# Altium PCB IMPORT PCB1.PcbDoc
Units mil, origin at the board's own origin, x right, y up, seen from the top; angles counter-clockwise.
Board outline 1343.18 x 1223.18 mil, 2 copper layers (Top Layer, Bottom Layer); 205 components, 290 nets, 975 pads, 0 vias.
Unrouted connection lines stored in the file: 631.
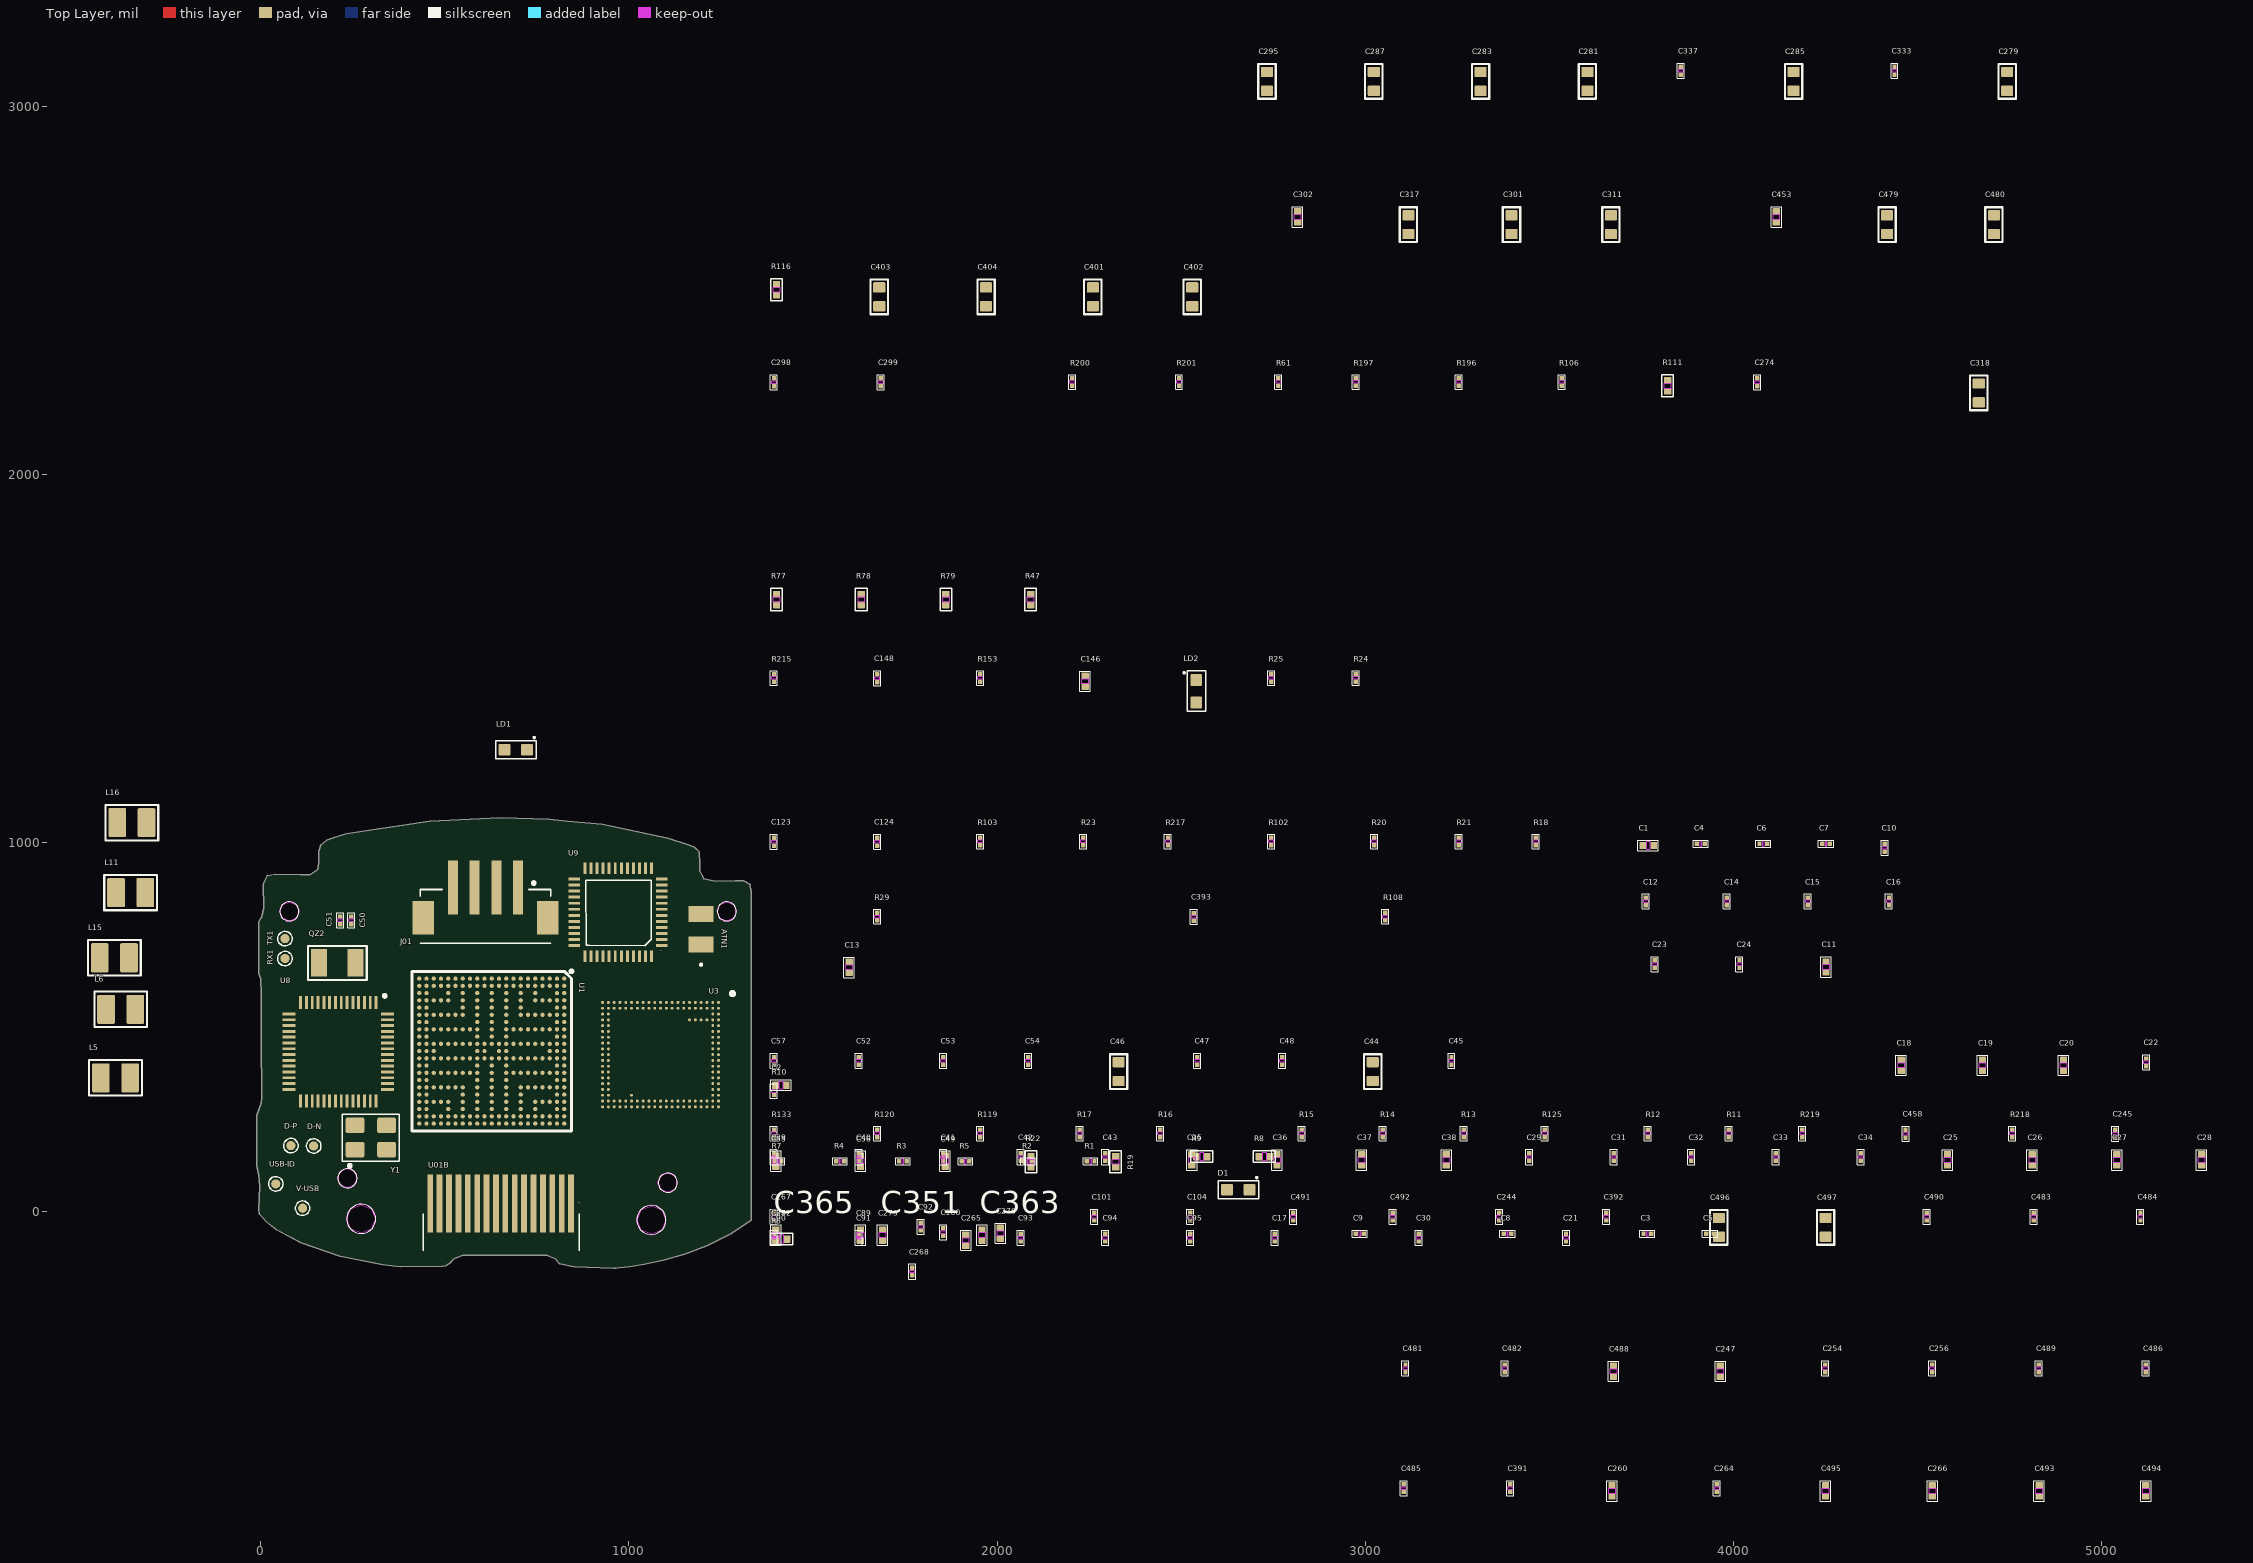
[diagram p0: Top Layer view]
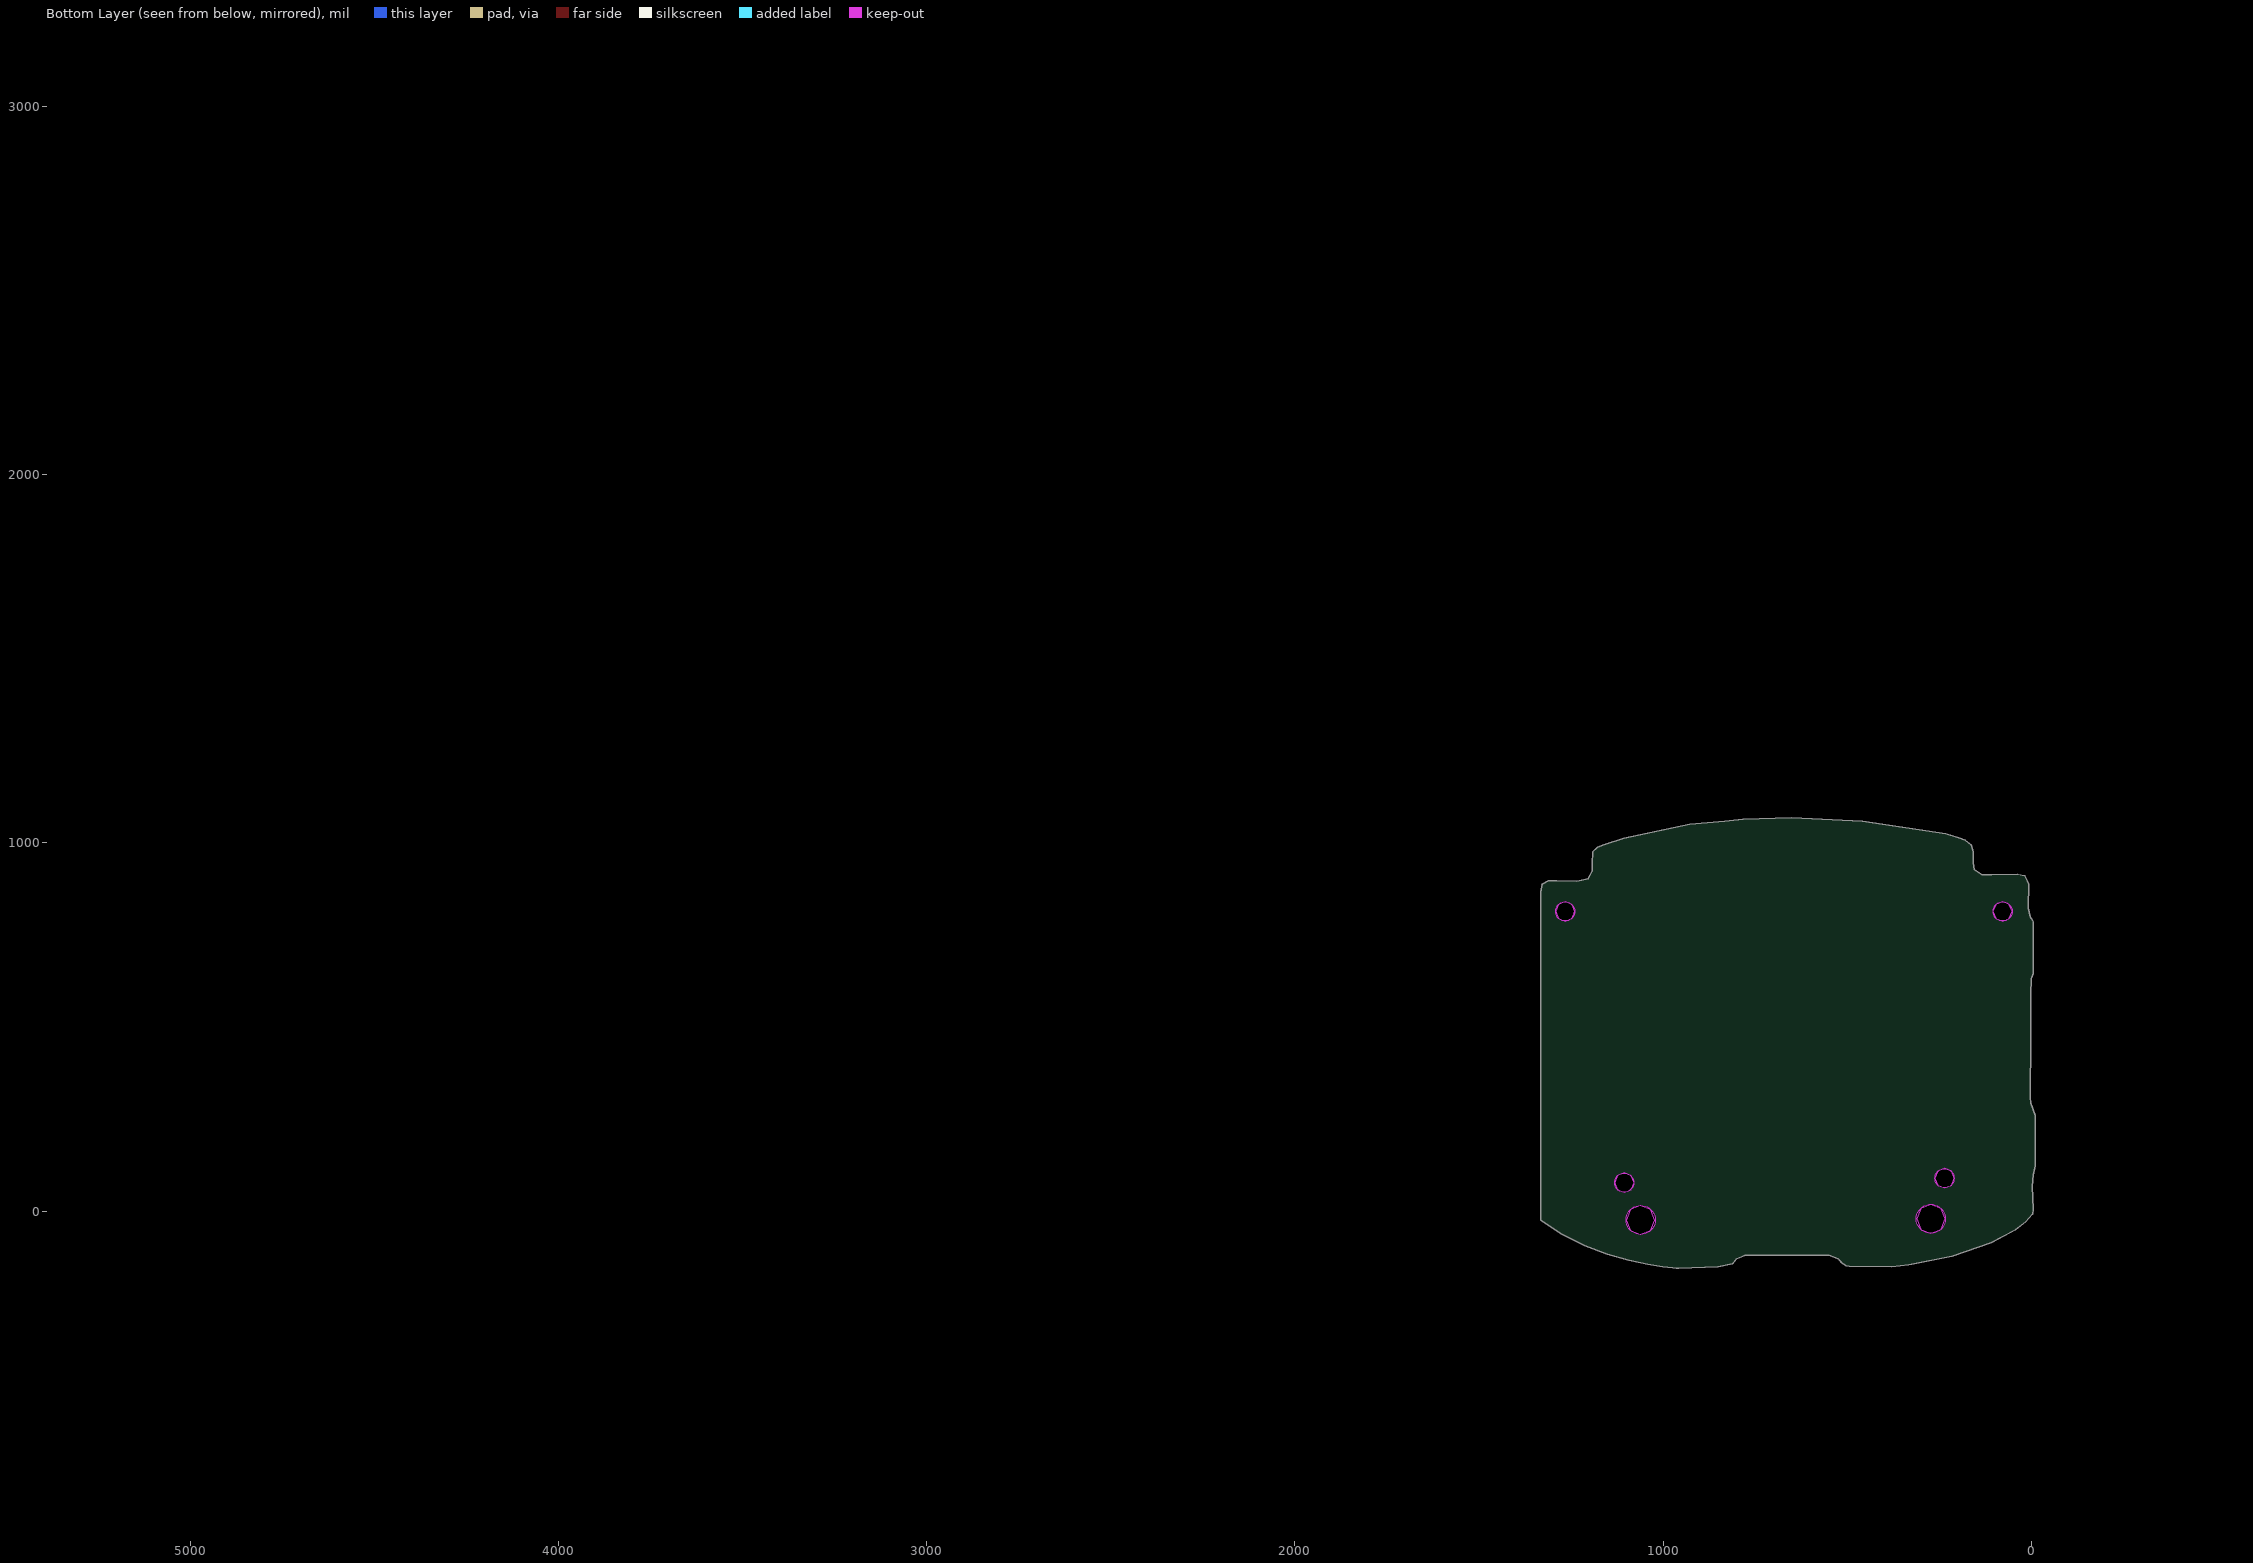
[diagram p1: Bottom Layer view, seen from below]

## Layer stack, top to bottom
Top Solder: solder mask 0.4, Solder Resist, Dk 3.5
Top Layer: signal copper 1.4
Dielectric 1: dielectric 12.6, FR-4, Dk 4.8
Bottom Layer: signal copper 1.4
Bottom Solder: solder mask 0.4, Solder Resist, Dk 3.5

## Board outline
-3.21,-8.03 16.18,-29.65 42.26,-50.01 109.91,-86.14 215.81,-122.39 325.68,-144.3 332.93,-145.42 378.87,-150.89 494.59,-149.46 503.17,-147.95 516.35,-139 524.89,-128.96 548.71,-119.34 648.71,-119.34 777.59,-119.34 801.03,-129.94 811.63,-142.91 850.96,-151.42 958.08,-155.18 964.08,-155.04 973.7,-154.2 1000.62,-151 1041.35,-144.44 1092.54,-133.42 1150.7,-116.82 1212.49,-93.81 1274.42,-63.13 1330.49,-25.88 1332.02,-24.35 1332.44,-21.84 1332.44,61.01 1332.44,746.97 1332.72,866.78 1328.81,887.42 1329.09,887.28 1311.08,897.05 1289.2,896.77 1234.24,895.23 1202.86,903.18 1193.03,922.59 1192.82,945.03 1191.42,975.16 1178.49,988.06 1160.32,994.68 1106.48,1012.26 927.67,1051.17 832.82,1059.26 783.13,1063.62 650.26,1068 458.53,1059.32 232.23,1024.53 198.2,1014.07 179.07,1006.7 163.19,994.4 157.89,975.71 157.33,968.32 157.33,946.42 154.96,926.9 134.25,913.54 108.09,913.37 37.24,914.2 17.29,910.44 7.39,887.98 7.95,823.4 2.79,798.72 -3.07,789.93 -5.3,785.88 -5.58,782.68 -5.58,645.43 0.56,631.06 1.95,588.94 1.95,468.71 2.37,309.56 1.53,293.25 -10.46,260.05 -10.46,123.5 -4.75,98.39 -2.79,67.57 -4.61,5.36
cut-out: 1086.82,58.72 1079.08,77.47 1086.82,96.16 1105.44,103.97 1124.06,96.21 1131.8,77.47 1124.06,58.72 1105.44,50.96
cut-out: 1079.85,77.28 ccw(c1105.85,77.28) 1105.85,51.28 ccw(c1105.85,77.28) 1131.85,77.28 ccw(c1105.85,77.28) 1105.85,103.28 ccw(c1105.85,77.28)
cut-out: 209.86,89.28 ccw(c235.86,89.28) 235.86,63.28 ccw(c235.86,89.28) 261.86,89.28 ccw(c235.86,89.28) 235.86,115.28 ccw(c235.86,89.28)
cut-out: 1240.06,813.96 ccw(c1266.06,813.96) 1266.06,787.96 ccw(c1266.06,813.96) 1292.06,813.96 ccw(c1266.06,813.96) 1266.06,839.96 ccw(c1266.06,813.96)
cut-out: 52,814 ccw(c78,814) 78,788 ccw(c78,814) 104,814 ccw(c78,814) 78,840 ccw(c78,814)
cut-out: 233.44,-21 ccw(c273,-21) 273,-60.56 ccw(c273,-21) 312.56,-21 ccw(c273,-21) 273,18.56 ccw(c273,-21)
cut-out: 1021.44,-24 ccw(c1061,-24) 1061,-63.56 ccw(c1061,-24) 1100.56,-24 ccw(c1061,-24) 1061,15.56 ccw(c1061,-24)
cut-out: 1033.99,-51.79 1022.52,-24.21 1033.99,3.37 1061.57,14.84 1089.15,3.37 1100.62,-24.21 1089.15,-51.79 1061.57,-63.26
cut-out: 1033.99,-51.79 1022.52,-24.21 1033.99,3.37 1061.57,14.84 1089.15,3.37 1100.62,-24.21 1089.15,-51.79 1061.57,-63.26
cut-out: 216.82,70.72 209.08,89.47 216.82,108.16 235.44,115.97 254.06,108.21 261.8,89.47 254.06,70.72 235.44,62.96
cut-out: 245.1,-48.86 233.62,-21.28 245.1,6.3 272.68,17.77 300.26,6.3 311.73,-21.28 300.26,-48.86 272.68,-60.34
cut-out: 59.34,795.03 51.6,813.78 59.34,832.52 77.97,840.28 96.59,832.52 104.33,813.78 96.59,795.03 77.97,787.28
cut-out: 1247.15,795.03 1239.41,813.78 1247.15,832.52 1265.77,840.28 1284.39,832.52 1292.13,813.78 1284.39,795.03 1265.77,787.28

## Design rules (kind name [scope] priority, off if disabled: settings)
Clearance [All] p1: gap=4 ignorepadtopadclearanceinfootprint=FALSE
DiffPairsRouting [All] p1: maxlimit=10 minlimit=10 mostfreqgap=10 toplayer_minwidth=15 toplayer_maxwidth=15 toplayer_prefwidth=15 bottomlayer_minwidth=15 bottomlayer_maxwidth=15 bottomlayer_prefwidth=15 maxuncoupledlength=500
PolygonConnect [All] p1: connectstyle=Relief reliefconductorwidth=10 reliefentries=4 polygonreliefangle="90 Angle" airgapwidth=10
RoutingVias [All] p1: holewidth=28 width=50 viastyle="Through Hole" minholewidth=28 minwidth=50 maxholewidth=28 maxwidth=50
SolderMaskExpansion [All] p1: expansion=4 istentingtop=FALSE
Width [All] p1: maxlimit=10 minlimit=10 preferedwidth=10
29 further rules are at their usual default settings.

## Classes and differential pairs
component class "Page13 SOM Interface": BH1 BH2 BH3 C2 C401 C402 C403 C404 J4 J5 J7 R116 TP51
component class "Page12 PMIC PCA9450B": C13 C272 C273 C274 C276 C279 C281 C283 C285 C287 C295 C298 C299 C301 C302 C311 C317 C318 C333 C337 C351 C363 C365 C453 C479 C480 J01 J6 L5 L6 L11 L13 L15 L16 QZ2 R48 R51 R52 R54 R55 R61 R106 R111 R114 R127 R137 R191 R192 R193 R194 R195 R196 R197 R198 R199 R200 R201 R202 R203 R224 TP22 TP23 TP25 TP26 TP27 TP28 TP29 TP31 TP32 TP33 TP44 TP45 TP46 TP47 TP53 TP68 U8
component class "Page11 BOOT_CFG": R47 R77 R78 R79
component class "Page10 WIFI&Bluetooth": ATN1 C44 C45 C46 C47 C48 C49 C50 C51 C52 C53 C54 C55 C56 C57 C146 C148 C454 C455 C456 C457 LD1 LD2 R8 R9 R19 R22 R24 R25 R115 R129 R130 R131 R132 R153 R205 R206 R207 R208 R209 R210 R211 R212 R213 R214 R215 TP12 TP13 TP24 TP66 TP67 U7 U9
component class "Page08 CPU MISC": C123 C124 R18 R20 R21 R23 R26 R27 R100 R102 R103 R113 R217 TP2 TP3 TP4 TP5 TP6 TP7 TP8 TP9 TP10 tp20 TP21 TP38 TP39 Y1
component class "Page07 CPU PHY": C393 D-N D-P R29 R108 U01B USB-ID V-USB
component class "Page06 CPU IO": C245 C458 D1 Q1 R10 R11 R12 R13 R14 R15 R16 R17 R119 R120 R125 R133 R218 R219 R220 RX1 TX1 U12
component class "Page05 DDR4L+eMMC": C1 C4 C6 C7 C10 C11 C12 C14 C15 C16 C18 C19 C20 C22 C23 C24 C25 C26 C27 C28 C29 C31 C32 C33 C34 C35 C36 C37 C38 C39 C40 C41 C42 C43 C460 C461 C462 C463 C465 C466 C467 C468 C469 C470 C471 C474 C475 C476 C477 C478 CLKm CMDm DAT0m DSm R1 R2 R3 R4 R5 R6 R7 R222 R223 RSTm TP58 U1 U3 U15
differential pair class CSI_D3: CSI_D3
differential pair class CSI_D2: CSI_D2
differential pair class CSI_D1: CSI_D1
differential pair class CSI_D0: CSI_D0
differential pair class CSI_CK_PAIR_CLASS: CSI_CK
component class "Page04 CPU PWR": C3 C5 C8 C9 C17 C21 C30 C88 C89 C90 C91 C92 C93 C94 C95 C100 C101 C104 C244 C247 C254 C256 C260 C264 C265 C266 C267 C268 C391 C392 C481 C482 C483 C484 C485 C486 C488 C489 C490 C491 C492 C493 C494 C495 C496 C497
differential pair CSI_D3: +CSI_D3_P -CSI_D3_N
differential pair CSI_D2: +CSI_D2_P -CSI_D2_N
differential pair CSI_D1: +CSI_D1_P -CSI_D1_N
differential pair CSI_D0: +CSI_D0_P -CSI_D0_N
differential pair CSI_CK: +CSI_CK_P -CSI_CK_N

## Components (designator, comment, footprint, x,y, rotation, side; value= is the part's Value field where it differs from the comment)
ATN1 "M310220" M310220 1196,766 r90 top
C1 "4.7uF" "0402_CC - C" 3768,993 r0 top
C2 "2.2uF" "0402_CC - C" 1413,342 r0 top
C3 "0.22UF" "0201_CC - C" 3766,-61 r0 top
C4 "0.22uF" "0201_CC - C" 3911,998 r0 top
C5 "0.22UF" "0201_CC - C" 3936,-61 r0 top
C6 "0.22uF" "0201_CC - C" 4081,998 r0 top
C7 "0.22uF" "0201_CC - C" 4251,998 r0 top
C8 "0.22UF" "0201_CC - C" 3386,-61 r0 top
C9 "0.22UF" "0201_CC - C" 2985,-61 r0 top
C10 "0.22uF" "0201_CC - C" 4410,987 r90 top
C11 "4.7uF" "0402_CC - C" 4251,663 r90 top
C12 "0.22uF" "0201_CC - C" 3762,841 r90 top
C13 "4.7UF" "0402_CC - C" 1598,662 r90 top
C14 "0.22uF" "0201_CC - C" 3982,841 r90 top
C15 "0.22uF" "0201_CC - C" 4202,841 r90 top
C16 "0.22uF" "0201_CC - C" 4422,841 r90 top
C17 "0.22UF" "0201_CC - C" 2754,-72 r90 top
C18 "10uF" "0402_CC - C" 4455,396 r90 top
C19 "10uF" "0402_CC - C" 4676,396 r90 top
C20 "10uF" "0402_CC - C" 4896,396 r90 top
C21 "0.22UF" "0201_CC - C" 3545,-72 r90 top
C22 "0.22uF" "0201_CC - C" 5121,404 r90 top
C23 "0.22uF" "0201_CC - C" 3786,671 r90 top
C24 "0.22uF" "0201_CC - C" 4016,671 r90 top
C25 "10uF" "0402_CC - C" 4581,139 r90 top
C26 "10uF" "0402_CC - C" 4811,139 r90 top
C27 "10uF" "0402_CC - C" 5041,139 r90 top
C28 "10uF" "0402_CC - C" 5271,139 r90 top
C29 "0.22uF" "0201_CC - C" 3445,147 r90 top
C30 "0.22UF" "0201_CC - C" 3145,-72 r90 top
C31 "0.22uF" "0201_CC - C" 3675,147 r90 top
C32 "0.22uF" "0201_CC - C" 3885,147 r90 top
C33 "0.22uF" "0201_CC - C" 4115,147 r90 top
C34 "0.22uF" "0201_CC - C" 4345,147 r90 top
C35 "10uF" "0402_CC - C" 2529,139 r90 top
C36 "10uF" "0402_CC - C" 2760,139 r90 top
C37 "10uF" "0402_CC - C" 2990,139 r90 top
C38 "10uF" "0402_CC - C" 3220,139 r90 top
C39 "0.22uF" "0201_CC - C" 1394,147 r90 top
C40 "0.22uF" "0201_CC - C" 1624,147 r90 top
C41 "0.22uF" "0201_CC - C" 1854,147 r90 top
C42 "0.22uF" "0201_CC - C" 2064,147 r90 top
C43 "0.22uF" "0201_CC - C" 2294,147 r90 top
C44 "22uF" 0603_CC 3020,379 r90 top
C45 "0.1uF" "0201_CC - C" 3234,408 r90 top
C46 "22uF" 0603_CC 2330,379 r90 top
C47 "0.1uF" "0201_CC - C" 2544,408 r90 top
C48 "0.1uF" "0201_CC - C" 2774,408 r90 top
C49 "10PF" "0402_CC - C" 1859,136 r90 top
C50 "1uF" "0201_CC - C" 246,789.64 r90 top
C51 "0.1uF" "0201_CC - C" 216,789.64 r90 top
C52 "0.1uF" "0201_CC - C" 1624,408 r90 top
C53 "0.1uF" "0201_CC - C" 1854,408 r90 top
C54 "0.1uF" "0201_CC - C" 2084,408 r90 top
C55 "10PF" "0402_CC - C" 1399,136 r90 top
C56 "10PF" "0402_CC - C" 1629,136 r90 top
C57 "1UF" "0201_CC - C" 1394,408 r90 top
C88 "10UF" "0402_CC - C" 1399,-65 r90 top
C89 "10UF" "0402_CC - C" 1629,-65 r90 top
C90 "1UF" "0201_CC - C" 1394,-72 r90 top
C91 "1UF" "0201_CC - C" 1624,-72 r90 top
C92 "1UF" "0201_CC - C" 1793,-42 r90 top
C93 "1UF" "0201_CC - C" 2064,-72 r90 top
C94 "1UF" "0201_CC - C" 2294,-72 r90 top
C95 "1UF" "0201_CC - C" 2524,-72 r90 top
C100 "0.22UF" "0201_CC - C" 1854,-57 r90 top
C101 "0.22UF" "0201_CC - C" 2264,-15 r90 top
C104 "0.22UF" "0201_CC - C" 2524,-15 r90 top
C123 "12PF" "0201_CC - C" 1394,1003 r90 top
C124 "12PF" "0201_CC - C" 1674,1003 r90 top
C146 "4.7UF" "0402_CC - C" 2239,1439 r90 top
C148 "0.22UF" "0201_CC - C" 1674,1447 r90 top
C244 "0.22UF" "0201_CC - C" 3364,-15 r90 top
C245 "18PF" "0201_CC - C" 5037,210 r90 top
C247 "10UF" "0402_CC - C" 3964,-435 r90 top
C254 "1UF" "0201_CC - C" 4249,-427 r90 top
C256 "1UF" "0201_CC - C" 4539,-427 r90 top
C260 "4.7UF" "0402_CC - C" 3669.83,-760 r90 top
C264 "0.22UF" "0201_CC - C" 3954.83,-752 r90 top
C265 "10UF" "0402_CC - C" 1915,-79 r90 top
C266 "10UF" "0402_CC - C" 4539.83,-760 r90 top
C267 "1UF" "0201_CC - C" 1394,-15 r90 top
C268 "2200PF" "0201_CC - C" 1769,-164 r90 top
C272 "1UF" "0402_CC - C" 1399,-65 r90 top
C273 "1.0UF" "0402_CC - C" 1689,-65 r90 top
C274 "1UF" "0201_CC - C" 4064,2251 r90 top
C276 "1.0UF" "0402_CC - C" 2009,-60 r90 top
C279 "10UF" 0603_CC 4743,3068 r90 top
C281 "10UF" 0603_CC 3603,3068 r90 top
C283 "22UF" 0603_CC 3313,3068 r90 top
C285 "22UF" 0603_CC 4163,3068 r90 top
C287 "22UF" 0603_CC 3023,3068 r90 top
C295 "10UF" 0603_CC 2733,3068 r90 top
C298 "18PF" "0201_CC - C" 1394,2251 r90 top
C299 "18PF" "0201_CC - C" 1684,2251 r90 top
C301 "10UF" 0603_CC 3397,2679 r90 top
C302 "4.7UF" "0402_CC - C" 2816,2700 r90 top
C311 "22UF" 0603_CC 3667,2679 r90 top
C317 "22UF" 0603_CC 3117,2679 r90 top
C318 "22UF" 0603_CC 4666,2222 r90 top
C333 "1UF" "0201_CC - C" 4437,3097 r90 top
C337 "1UF" "0201_CC - C" 3857,3097 r90 top
C351 "1UF" "0402_CC - C" 1689,-65 r90 top
C363 "2.2uF" "0402_CC - C" 1959,-65 r90 top
C365 "1UF" "0402_CC - C" 1399,-65 r90 top
C391 "1UF" "0201_CC - C" 3393.83,-752 r90 top
C392 "0.22UF" "0201_CC - C" 3654,-15 r90 top
C393 "0.22UF" "0201_CC - C" 2534,799 r90 top
C401 "10UF" 0603_CC 2260,2483 r90 top
C402 "10UF" 0603_CC 2530,2483 r90 top
C403 "22UF" 0603_CC 1680,2483 r90 top
C404 "22UF" 0603_CC 1970,2483 r90 top
C453 "4.7UF" "0402_CC - C" 4116,2700 r90 top
C458 "1UF" "0201_CC - C" 4467,210 r90 top
C479 "22UF" 0603_CC 4417,2679 r90 top
C480 "22UF" 0603_CC 4707,2679 r90 top
C481 "1UF" "0201_CC - C" 3109,-427 r90 top
C482 "1UF" "0201_CC - C" 3379,-427 r90 top
C483 "1UF" "0201_CC - C" 4815,-15 r90 top
C484 "1UF" "0201_CC - C" 5105,-15 r90 top
C485 "0.22UF" "0201_CC - C" 3103.83,-752 r90 top
C486 "0.22UF" "0201_CC - C" 5119,-427 r90 top
C488 "10UF" "0402_CC - C" 3674,-435 r90 top
C489 "1UF" "0201_CC - C" 4829,-427 r90 top
C490 "1UF" "0201_CC - C" 4525,-15 r90 top
C491 "0.22UF" "0201_CC - C" 2804,-15 r90 top
C492 "0.22UF" "0201_CC - C" 3074,-15 r90 top
C493 "10UF" "0402_CC - C" 4829.83,-760 r90 top
C494 "10UF" "0402_CC - C" 5119.83,-760 r90 top
C495 "10UF" "0402_CC - C" 4249.83,-760 r90 top
C496 "22UF" 0603_CC 3960,-44 r90 top
C497 "22UF" 0603_CC 4250,-44 r90 top
D1 "LED GREEN" LED_0603 2655,58 r0 top
D-N "Test Pin1" "Test Pin" 144,177 r90 top
D-P "Test Pin1" "Test Pin" 82,178 r90 top
J01 "B4B-ZR-SM4-TF" JST_B4B-ZR-SM4-TFT(LF)(SN) 610.53,800.26 r180 top
L5 "0.47UH" ind_sph2520 -394.25,362 r0 top
L6 "0.47UH" ind_sph2520 -380,548 r0 top
L11 "0.47UH" ind_sph2520 -353,865 r0 top
L15 "0.47UH" ind_sph2520 -397.25,688 r0 top
L16 "0.47UH" ind_sph2520 -349.75,1055 r0 top
LD1 "LED GREEN" LED_0603 693,1253 r0 top
LD2 "LED GREEN" LED_0603 2541,1412 r90 top
QZ2 "32.768KHZ" "XTAL_ABS07-32.768KHZ-T - duplicate" 208,674 r0 top
R1 "240 OHM" 0201_RES 2254,135 r0 top
R2 "240 OHM" 0201_RES 2084,135 r0 top
R3 "10K" 0201_RES 1744,135 r0 top
R4 "10K" 0201_RES 1574,135 r0 top
R5 "10K" 0201_RES 1914,135 r0 top
R6 "0" 0402_CC_RES 1415,-76 r0 top
R7 "240 OHM" 0201_RES 1404,135 r0 top
R8 "0" 0402_CC_RES 2726,148 r0 top
R9 "0" 0402_CC_RES 2556,148 r0 top
R10 "4.7K" 0201_RES 1394,326 r90 top
R11 "4.7K" 0201_RES 3987,211 r90 top
R12 "4.7K" 0201_RES 3767,211 r90 top
R13 "4.7K" 0201_RES 3267,211 r90 top
R14 "4.7K" 0201_RES 3047,211 r90 top
R15 "4.7K" 0201_RES 2827,211 r90 top
R16 "4.7K" 0201_RES 2443,211 r90 top
R17 "4.7K" 0201_RES 2224,211 r90 top
R18 "10K" 0201_RES 3463,1004 r90 top
R19 "0" 0402_CC_RES 2322,134 r90 top
R20 "100K" 0201_RES 3024,1004 r90 top
R21 "100K" 0201_RES 3254,1004 r90 top
R22 "0" 0402_CC_RES 2092,134 r90 top
R23 "10K" 0201_RES 2234,1004 r90 top
R24 "1k" 0201_RES 2974,1448 r90 top
R25 "1k" 0201_RES 2744,1448 r90 top
R29 "200" 0201_RES 1674,800 r90 top
R47 "10K" 0402_CC_RES 2091,1661 r90 top
R61 "100K" 0201_RES 2764,2252 r90 top
R77 "10K" 0402_CC_RES 1401,1661 r90 top
R78 "10K" 0402_CC_RES 1631,1661 r90 top
R79 "10K" 0402_CC_RES 1861,1661 r90 top
R102 "100K" 0201_RES 2744,1004 r90 top
R103 "100K" 0201_RES 1954,1004 r90 top
R106 "100K" 0201_RES 3533,2252 r90 top
R108 "30K" 0201_RES 3054,800 r90 top
R111 "0" 0402_CC_RES 3821,2241 r90 top
R116 "0" 0402_CC_RES 1401,2502 r90 top
R119 "10K" 0201_RES 1954,211 r90 top
R120 "10K" 0201_RES 1674,211 r90 top
R125 "1k" 0201_RES 3487,211 r90 top
R133 "4.7K" 0201_RES 1394,211 r90 top
R153 "10K" 0201_RES 1954,1448 r90 top
R196 "4.7K" 0201_RES 3254,2252 r90 top
R197 "4.7K" 0201_RES 2974,2252 r90 top
R200 "4.7K" 0201_RES 2204,2252 r90 top
R201 "4.7K" 0201_RES 2494,2252 r90 top
R215 "12K" 0201_RES 1394,1448 r90 top
R217 "100K" 0201_RES 2464,1004 r90 top
R218 "1k" 0201_RES 4757,211 r90 top
R219 "100K" 0201_RES 4187,211 r90 top
RX1 "Test Pin1" "Test Pin" 66,686 r90 top
TX1 "Test Pin1" "Test Pin" 66,740 r90 top
U1 "MIMX8MN5CVPIZAA" BGA306C50P21X21_1100X1100X101 627.57,434.68 r270 top
U01B "CAM PINS" "CAM Footprint" 842.93,21 r90 top
U3 "LPDDR4 32EP16-M4FTC32-GA68" FBGA144C40P19X21_800X950X80 1086,425 r270 top
U8 "PCA9450BHN" QFN40P700X700X100-57N-D 211,433 r270 top
U9 "RTL8723DS-CG" RTL8723DS-CG 1089.73,721 r180 top